# Altium PCB PCB4.PcbDoc (part 6 of 12)
Units mil, origin at the board's own origin, x right, y up, seen from the top; angles counter-clockwise.
Board outline 9204.7 x 4350.39 mil, 4 copper layers (Top Layer, Layer 1, Layer 2, Bottom Layer), stack 23.756 mil thick; 1824 components, 1732 nets, 6090 pads, 1022 vias.
Unrouted connection lines stored in the file: 2463.
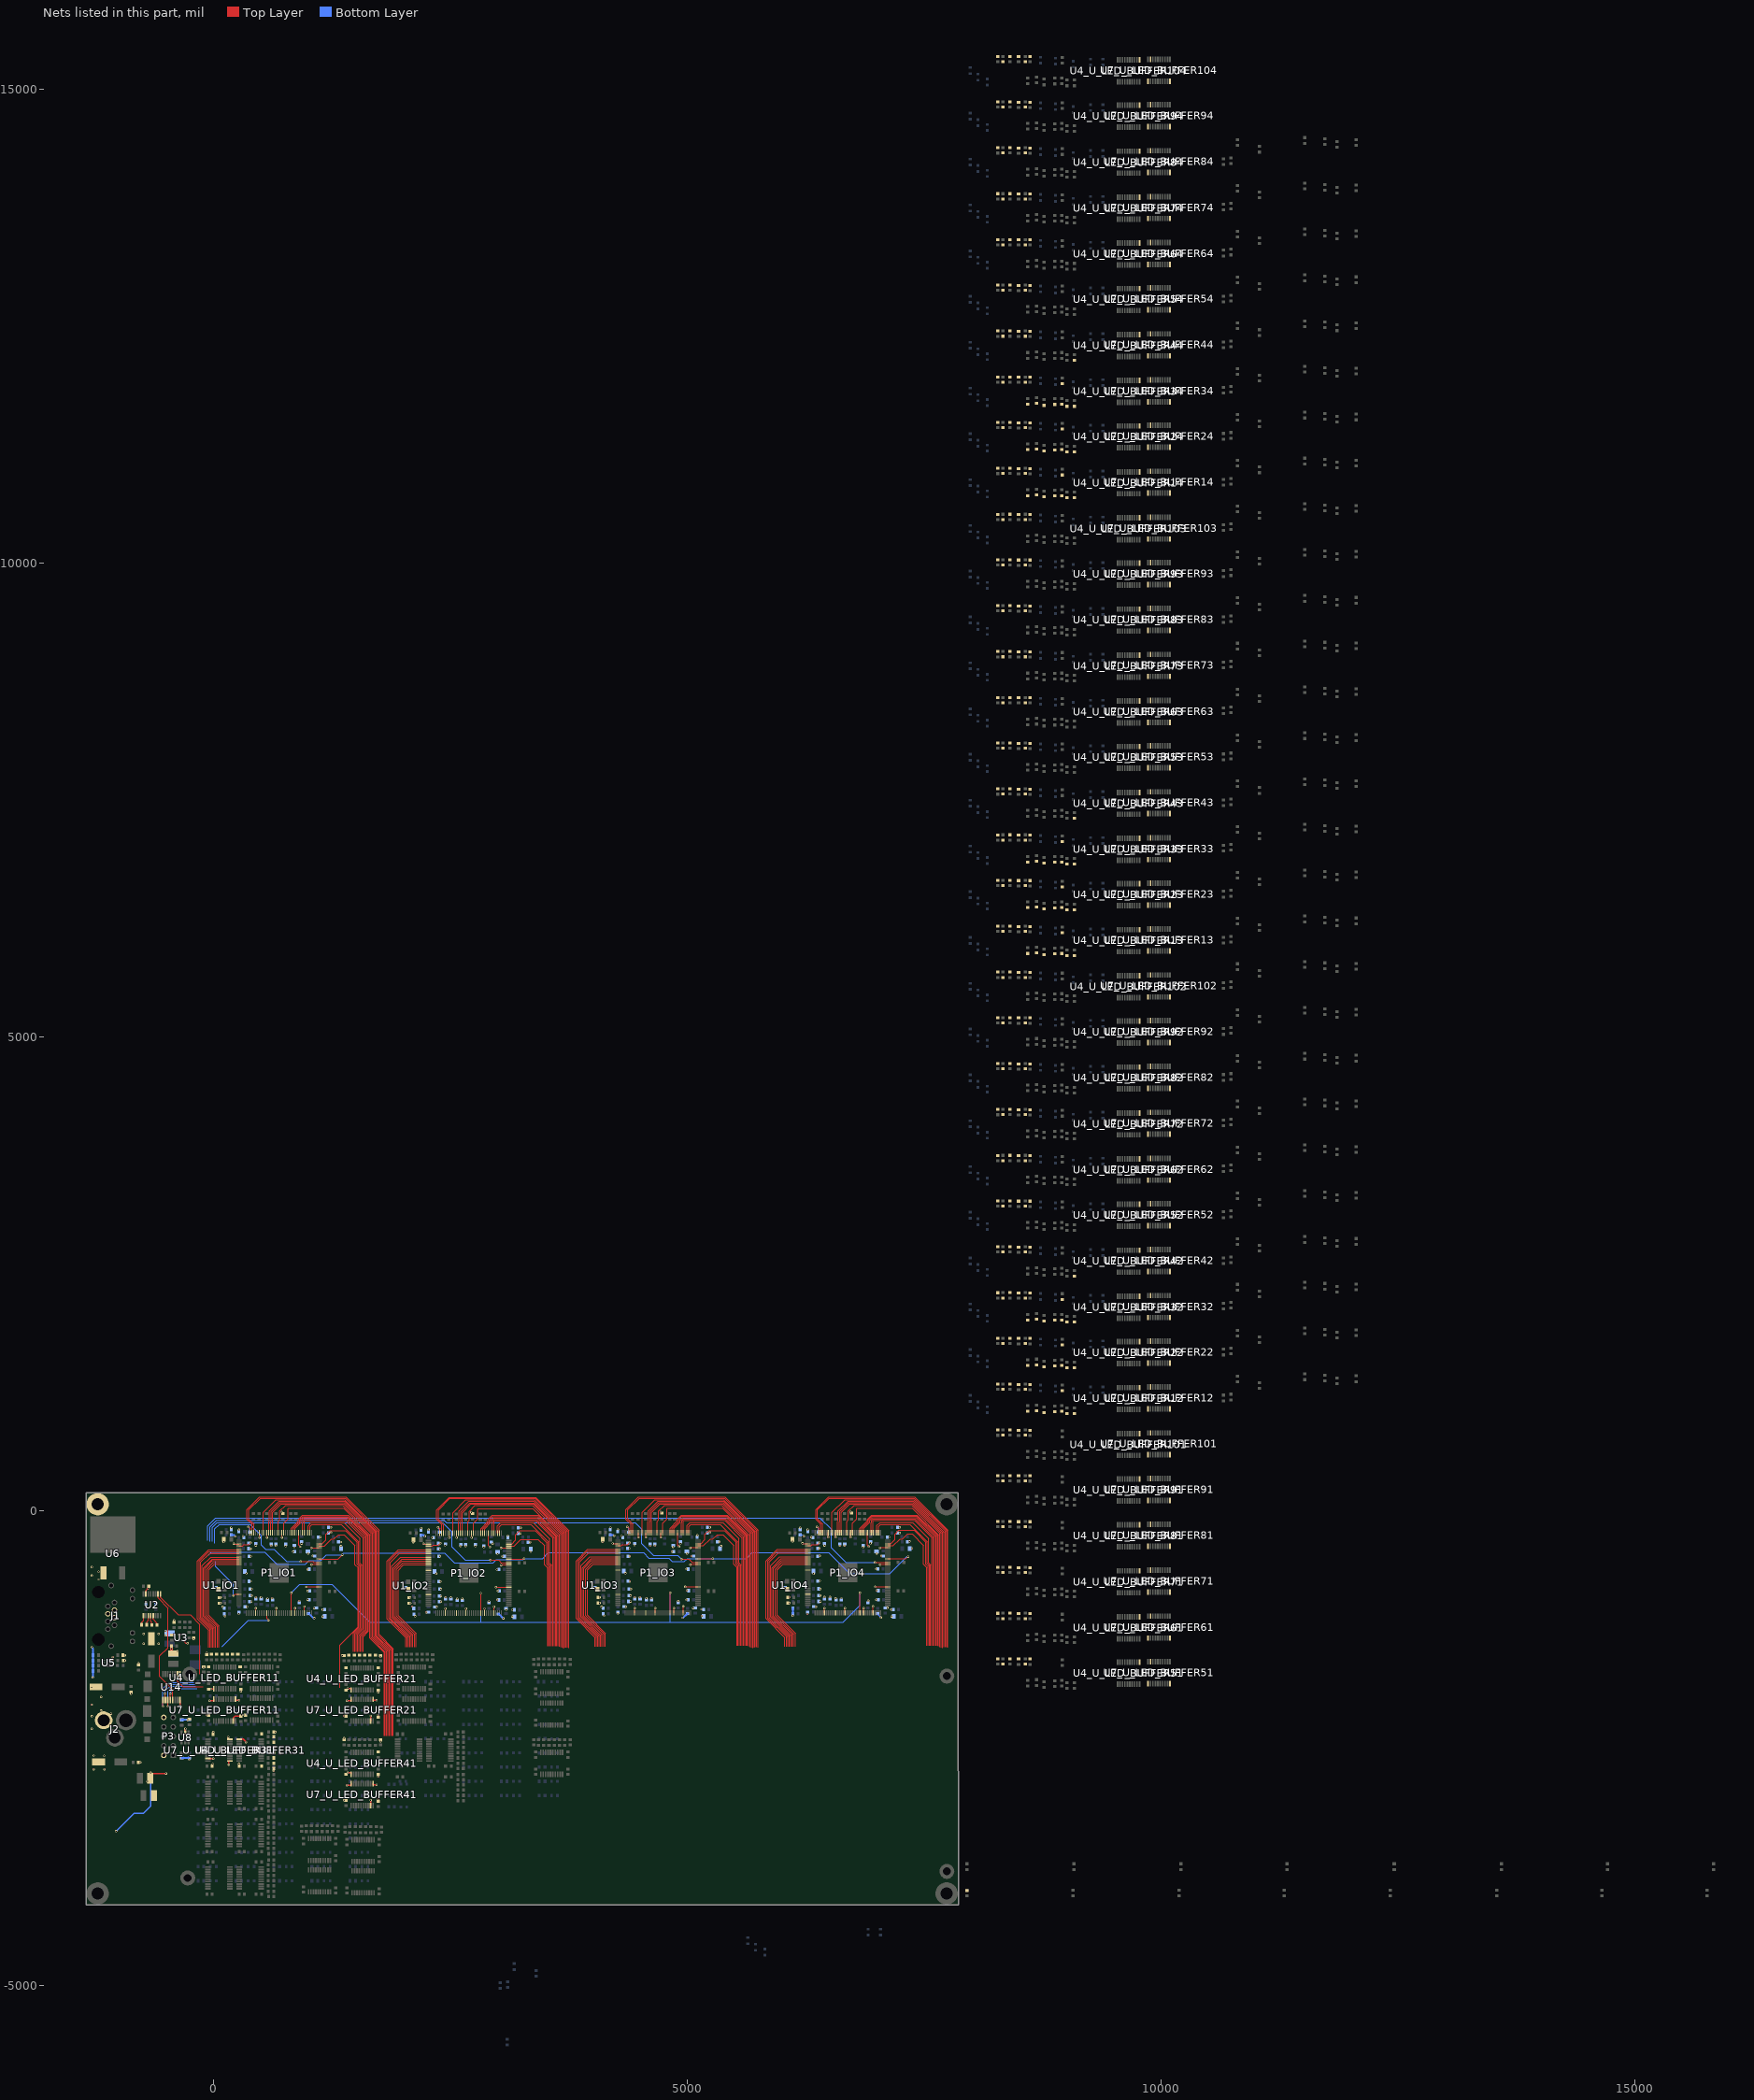
[diagram p8: the nets of this part, all layers, seen from the top]

## Via types
v1: diameter 24, hole 12, Top Layer to Bottom Layer, 1022 vias

## Nets (pads, with @x,y where several pads share a name; then routed paths per layer and width w, separated by ;. In a path a pad name is that pad's centre, name@x,y a point inside that pad or via, vN(x,y) a via of type N, cw(c..) or ccw(c..) an arc to the next point about the centre after c; other vN are vias at no path point) (continued)
BANK_EN0_IO2: P1_IO2.17
BANK_EN0_IO3: P1_IO3.17
BANK_EN0_IO4: P1_IO4.17
BANK_EN1: P1_IO1.30 U14.10 | length 863.8
  Top Layer w7: U14.10@-377.43,-1717.98 -377.43,-1792.58 -320,-1850 -110,-1850 ; v1(213.84,-888.5) 218.44,-888.5 229.51,-877.43 P1_IO1.30@270.71,-877.43
  Bottom Layer w7: 23.34,-530.94 23.25,-531.03 23.25,-542.51 23.34,-542.6 23.34,-583.34 213.84,-773.85 v1(213.84,-888.5)
BANK_EN1_IO2: P1_IO2.30
BANK_EN1_IO3: P1_IO3.30
BANK_EN1_IO4: P1_IO4.30
BANK_EN2_IO1: P1_IO1.48 | length 684.8
  Top Layer w7: P1_IO1.48@565.51,-1073.81 565.51,-1132.66 580,-1147.15 v1(580,-1150)
  Bottom Layer w7: 92.5,-1427.97 370.47,-1150 v1(580,-1150)
BANK_EN2_IO2: P1_IO2.48
BANK_EN2_IO3: P1_IO3.48
BANK_EN2_IO4: P1_IO4.48
C1+: C40.2 U2.1 | length 104.2
  Top Layer w10: C40.2@-756.36,-1198.9 -756.36,-1170.76 -736.67,-1151.07 U2.1@-736.67,-1102.87
C1-: C40.1 U2.3 | length 102.6
  Top Layer w10: C40.1@-701.24,-1198.9 -701.24,-1165.64 -685.49,-1149.89 U2.3@-685.49,-1102.87
C2+: C43.2 U2.4 | length 102.2
  Top Layer w10: U2.4@-659.9,-1102.87 -659.9,-1160.9 -649.3,-1171.5 C43.2@-649.3,-1200.7
C2-: C43.1 U2.5 | length 114.5
  Top Layer w10: U2.5@-634.31,-1102.87 -634.31,-1138.89 -594.18,-1179.02 C43.1@-594.18,-1200.7
CMD_INT: P1_IO1.61 P1_IO2.61 P1_IO3.61 P1_IO4.61 | length 7884.4
  Top Layer w7: P1_IO1.61@821.42,-1073.81 v1(821.42,-862.08) v1@826.2,-857.3 ; P1_IO2.61@2822.52,-1076.41 v1(2822.52,-864.68) ; P1_IO3.61@4819.42,-1072.96 v1(4819.42,-861.23) v1@4824.2,-856.45 ; P1_IO4.61@6822.42,-1072.81 v1(6822.42,-861.08)
  Bottom Layer w7: v1(821.42,-862.08) 913.5,-770 1250,-770 1650,-1170 2822.52,-1170 ; v1(2822.52,-864.68) 2822.52,-1170 ; v1(4819.42,-861.23) 4819.42,-1170 ; v1(6822.42,-861.08) 6822.42,-992.69 6645.11,-1170 4819.42,-1170 ; 2822.52,-1170 4819.42,-1170
CMD_RX: P1_IO1.98 P1_IO2.98 P1_IO3.98 P1_IO4.98 U2.9 | length 9721.9
  Top Layer w7: U2.9@-557.53,-871.53 -557.53,-908.32 -371.59,-1094.26 -243.96,-1094.26 -141.74,-1196.49 -141.74,-1718.27 ; P1_IO1.98@1116.22,-503.42 1316.58,-503.42 v1(1360,-460) ; P1_IO2.98@3117.32,-506.02 3273.98,-506.02 v1(3280,-500) ; P1_IO3.98@5114.22,-502.57 5267.43,-502.57 v1(5270,-500) ; P1_IO4.98@7117.22,-502.42 7307.58,-502.42 v1(7330,-480)
  Bottom Layer w7: -50,-460 -20,-430 540,-430 669.34,-559.34 970.66,-559.34 1010.77,-519.22 1133.33,-519.22 1192.56,-460 v1(1360,-460) 1377.6,-442.4 2440.32,-442.4 2544.33,-546.41 2950.9,-546.41 2985.16,-512.14 3267.4,-512.14 3279.54,-500 v1(3280,-500) ; v1@3280,-501.96 3473.99,-501.96 3537,-438.95 4539.15,-438.95 4596.68,-496.48 4808.56,-496.48 4841.22,-529.14 4971.52,-529.14 5002.15,-498.51 5270,-498.51 5624.61,-498.51 5684.32,-438.8 6493.72,-438.8 6713.12,-658.2 7140.35,-658.2 7315.36,-483.18 7326.81,-483.18 v1(7330,-480)
CMD_TX: U2.10 U14.5 | length 1257.8
  Top Layer w10: U2.10@-583.13,-871.53 -583.96,-872.37 -583.96,-916.64 -479,-1021.6 -479,-1440.98 -565.96,-1527.94 -565.96,-1744.01 -429.44,-1880.53 -429.44,-1991.78 U14.5@-428.61,-1992.62
CMD_TX_IO1: P1_IO1.96 U14.4 | length 1875.4
  Top Layer w7: v1(-455.16,-1925.24) -454.68,-1925.73 -454.68,-1992.14 U14.4@-454.2,-1992.62 ; v1(922.52,-531.8) 1050,-531.8 1060.99,-542.79 P1_IO1.96@1116.22,-542.79
  Bottom Layer w7: v1(-455.16,-1925.24) -451.91,-1921.99 -451.91,-1912.45 -410.88,-1871.43 -170.15,-1871.43 ; 15.39,-335.89 15.39,-186.87 62.26,-140 390,-140 510,-260 510,-360 550,-400 640,-400 771.8,-531.8 v1(922.52,-531.8)
CMD_TX_IO2: P1_IO2.96 U14.3 | length 4110.1
  Top Layer w7: U14.3@-479.79,-1992.62 -479.3,-1993.11 -479.3,-2059.52 v1(-478.82,-2060) ; v1(2924.81,-516.75) 3010,-516.75 3038.64,-545.39 P1_IO2.96@3117.32,-545.39
  Bottom Layer w7: v1(-478.82,-2060) -478.82,-1898.82 -428.36,-1848.36 -186.71,-1848.36 ; -8.38,-320.03 -8.38,-168.28 40.81,-119.08 2419.08,-119.08 2520,-220 2520,-380 2656.75,-516.75 v1(2924.81,-516.75)
CMD_TX_IO3: P1_IO3.96 U14.2 | length 6051.2
  Top Layer w7: v1(-506.34,-1925.24) -505.86,-1925.73 -505.86,-1992.14 U14.2@-505.38,-1992.62 ; v1(4937.95,-506.64) 5020,-506.64 5055.29,-541.94 P1_IO3.96@5114.22,-541.94
  Bottom Layer w7: v1(-506.34,-1925.24) -506.34,-1896.34 -435.88,-1825.88 -190.26,-1825.88 ; -34.41,-320.03 -34.41,-163.76 34.15,-95.2 2435.2,-95.2 2460,-120 4450,-120 4520,-190 4520,-345.21 4641.48,-466.69 4898,-466.69 v1(4937.95,-506.64)
CMD_TX_IO4: P1_IO4.96 U14.1 | length 8278.9
  Top Layer w7: U14.1@-530.97,-1992.62 -530.48,-1993.11 -530.48,-2059.52 v1(-530,-2060) ; v1(6982.19,-541.79) P1_IO4.96@7117.22,-541.79
  Bottom Layer w7: v1(-530,-2060) -530,-1870 -465.18,-1805.18 -208.6,-1805.18 ; -60.43,-307.02 -60.43,-157.28 26.23,-70.62 6400.61,-70.62 6520,-190 6520,-385.26 6676.53,-541.79 v1(6982.19,-541.79)
GND: C1_IO1.1 C1_IO2.1 C1_IO3.1 C1_IO4.1 C2_POWER1.2 C2_POWER2.2 C2_POWER3.2 C2_POWER4.2 C3_POWER1.2 C3_POWER2.2 C3_POWER3.2 C3_POWER4.2 C4_POWER1.2 C4_POWER2.2 C4_POWER3.2 C4_POWER4.2 C5_POWER1.2 C5_POWER2.2 C5_POWER3.2 C5_POWER4.2 C6_POWER1.2 C6_POWER2.2 C6_POWER3.2 C6_POWER4.2 C7_POWER1.2 C7_POWER2.2 C7_POWER3.2 C7_POWER4.2 C9_POWER1.2 C9_POWER2.2 C9_POWER3.2 C9_POWER4.2 C10_POWER1.1 C10_POWER2.1 C10_POWER3.1 C10_POWER4.1 C11_POWER1.1 C11_POWER2.1 C11_POWER3.1 C11_POWER4.1 C12_POWER1.2 C12_POWER2.2 C12_POWER3.2 C12_POWER4.2 C13_POWER1.2 C13_POWER2.2 C13_POWER3.2 C13_POWER4.2 C15_POWER1.2 C15_POWER2.2 C15_POWER3.2 C15_POWER4.2 C16_POWER1.2 C16_POWER2.2 C16_POWER3.2 C16_POWER4.2 C17_POWER1.2 C17_POWER2.2 C17_POWER3.2 C17_POWER4.2 C19.1 C20.1 C21.1 C22.1 C23_POWER1.2 C23_POWER2.2 C23_POWER3.2 C23_POWER4.2 C24_POWER1.2 C24_POWER2.2 C24_POWER3.2 C24_POWER4.2 C26.1 C27.1 C28_U_LED_BUFFER11.2 C28_U_LED_BUFFER12.2 C28_U_LED_BUFFER13.2 C28_U_LED_BUFFER14.2 C28_U_LED_BUFFER21.2 C28_U_LED_BUFFER22.2 C28_U_LED_BUFFER23.2 C28_U_LED_BUFFER24.2 C28_U_LED_BUFFER31.2 C28_U_LED_BUFFER32.2 C28_U_LED_BUFFER33.2 C28_U_LED_BUFFER34.2 C28_U_LED_BUFFER41.2 C28_U_LED_BUFFER42.2 C28_U_LED_BUFFER43.2 C28_U_LED_BUFFER44.2 C28_U_LED_BUFFER51.2 C28_U_LED_BUFFER52.2 C28_U_LED_BUFFER53.2 C28_U_LED_BUFFER54.2 C28_U_LED_BUFFER61.2 C28_U_LED_BUFFER62.2 C28_U_LED_BUFFER63.2 C28_U_LED_BUFFER64.2 C28_U_LED_BUFFER71.2 C28_U_LED_BUFFER72.2 C28_U_LED_BUFFER73.2 C28_U_LED_BUFFER74.2 C28_U_LED_BUFFER81.2 C28_U_LED_BUFFER82.2 C28_U_LED_BUFFER83.2 C28_U_LED_BUFFER84.2 C28_U_LED_BUFFER91.2 C28_U_LED_BUFFER92.2 C28_U_LED_BUFFER93.2 C28_U_LED_BUFFER94.2 C28_U_LED_BUFFER101.2 C28_U_LED_BUFFER102.2 C28_U_LED_BUFFER103.2 C28_U_LED_BUFFER104.2 C29.1 C30.1 C31_U_LED_BUFFER11.1 C31_U_LED_BUFFER12.1 C31_U_LED_BUFFER13.1 C31_U_LED_BUFFER14.1 C31_U_LED_BUFFER21.1 C31_U_LED_BUFFER22.1 C31_U_LED_BUFFER23.1 C31_U_LED_BUFFER24.1 C31_U_LED_BUFFER31.1 C31_U_LED_BUFFER32.1 C31_U_LED_BUFFER33.1 C31_U_LED_BUFFER34.1 C31_U_LED_BUFFER41.1 C31_U_LED_BUFFER42.1 C31_U_LED_BUFFER43.1 C31_U_LED_BUFFER44.1 C31_U_LED_BUFFER51.1 C31_U_LED_BUFFER52.1 C31_U_LED_BUFFER53.1 C31_U_LED_BUFFER54.1 C31_U_LED_BUFFER61.1 C31_U_LED_BUFFER62.1 C31_U_LED_BUFFER63.1 C31_U_LED_BUFFER64.1 C31_U_LED_BUFFER71.1 C31_U_LED_BUFFER72.1 C31_U_LED_BUFFER73.1 C31_U_LED_BUFFER74.1 C31_U_LED_BUFFER81.1 C31_U_LED_BUFFER82.1 C31_U_LED_BUFFER83.1 C31_U_LED_BUFFER84.1 C31_U_LED_BUFFER91.1 C31_U_LED_BUFFER92.1 C31_U_LED_BUFFER93.1 C31_U_LED_BUFFER94.1 C31_U_LED_BUFFER101.1 C31_U_LED_BUFFER102.1 C31_U_LED_BUFFER103.1 C31_U_LED_BUFFER104.1 C32_U_LED_BUFFER11.2 C32_U_LED_BUFFER12.2 C32_U_LED_BUFFER13.2 C32_U_LED_BUFFER14.2 C32_U_LED_BUFFER21.2 C32_U_LED_BUFFER22.2 C32_U_LED_BUFFER23.2 C32_U_LED_BUFFER24.2 C32_U_LED_BUFFER31.2 C32_U_LED_BUFFER32.2 C32_U_LED_BUFFER33.2 C32_U_LED_BUFFER34.2 C32_U_LED_BUFFER41.2 C32_U_LED_BUFFER42.2 C32_U_LED_BUFFER43.2 C32_U_LED_BUFFER44.2 C32_U_LED_BUFFER51.2 C32_U_LED_BUFFER52.2 C32_U_LED_BUFFER53.2 C32_U_LED_BUFFER54.2 C32_U_LED_BUFFER61.2 C32_U_LED_BUFFER62.2 C32_U_LED_BUFFER63.2 C32_U_LED_BUFFER64.2 C32_U_LED_BUFFER71.2 C32_U_LED_BUFFER72.2 C32_U_LED_BUFFER73.2 C32_U_LED_BUFFER74.2 C32_U_LED_BUFFER81.2 C32_U_LED_BUFFER82.2 C32_U_LED_BUFFER83.2 C32_U_LED_BUFFER84.2 C32_U_LED_BUFFER91.2 C32_U_LED_BUFFER92.2 C32_U_LED_BUFFER93.2 C32_U_LED_BUFFER94.2 C32_U_LED_BUFFER101.2 C32_U_LED_BUFFER102.2 C32_U_LED_BUFFER103.2 C32_U_LED_BUFFER104.2 C33_U_LED_BUFFER11.1 C33_U_LED_BUFFER12.1 C33_U_LED_BUFFER13.1 C33_U_LED_BUFFER14.1 C33_U_LED_BUFFER21.1 C33_U_LED_BUFFER22.1 C33_U_LED_BUFFER23.1 C33_U_LED_BUFFER24.1 C33_U_LED_BUFFER31.1 C33_U_LED_BUFFER32.1 C33_U_LED_BUFFER33.1 C33_U_LED_BUFFER34.1 C33_U_LED_BUFFER41.1 C33_U_LED_BUFFER42.1 C33_U_LED_BUFFER43.1 C33_U_LED_BUFFER44.1 C33_U_LED_BUFFER51.1 C33_U_LED_BUFFER52.1 C33_U_LED_BUFFER53.1 C33_U_LED_BUFFER54.1 C33_U_LED_BUFFER61.1 C33_U_LED_BUFFER62.1 C33_U_LED_BUFFER63.1 C33_U_LED_BUFFER64.1 C33_U_LED_BUFFER71.1 C33_U_LED_BUFFER72.1 C33_U_LED_BUFFER73.1 C33_U_LED_BUFFER74.1 C33_U_LED_BUFFER81.1 C33_U_LED_BUFFER82.1 C33_U_LED_BUFFER83.1 C33_U_LED_BUFFER84.1 C33_U_LED_BUFFER91.1 C33_U_LED_BUFFER92.1 C33_U_LED_BUFFER93.1 C33_U_LED_BUFFER94.1 C33_U_LED_BUFFER101.1 C33_U_LED_BUFFER102.1 C33_U_LED_BUFFER103.1 C33_U_LED_BUFFER104.1 C34_U_LED_BUFFER11.2 C34_U_LED_BUFFER12.2 C34_U_LED_BUFFER13.2 C34_U_LED_BUFFER14.2 C34_U_LED_BUFFER21.2 C34_U_LED_BUFFER22.2 C34_U_LED_BUFFER23.2 C34_U_LED_BUFFER24.2 C34_U_LED_BUFFER31.2 C34_U_LED_BUFFER32.2 C34_U_LED_BUFFER33.2 C34_U_LED_BUFFER34.2 C34_U_LED_BUFFER41.2 C34_U_LED_BUFFER42.2 C34_U_LED_BUFFER43.2 C34_U_LED_BUFFER44.2 C34_U_LED_BUFFER51.2 C34_U_LED_BUFFER52.2 C34_U_LED_BUFFER53.2 C34_U_LED_BUFFER54.2 C34_U_LED_BUFFER61.2 C34_U_LED_BUFFER62.2 C34_U_LED_BUFFER63.2 C34_U_LED_BUFFER64.2 C34_U_LED_BUFFER71.2 C34_U_LED_BUFFER72.2 C34_U_LED_BUFFER73.2 C34_U_LED_BUFFER74.2 C34_U_LED_BUFFER81.2 C34_U_LED_BUFFER82.2 C34_U_LED_BUFFER83.2 C34_U_LED_BUFFER84.2 C34_U_LED_BUFFER91.2 C34_U_LED_BUFFER92.2 C34_U_LED_BUFFER93.2 C34_U_LED_BUFFER94.2 C34_U_LED_BUFFER101.2 C34_U_LED_BUFFER102.2 C34_U_LED_BUFFER103.2 C34_U_LED_BUFFER104.2 C35_U_LED_BUFFER11.2 C35_U_LED_BUFFER12.2 C35_U_LED_BUFFER13.2 C35_U_LED_BUFFER14.2 C35_U_LED_BUFFER21.2 C35_U_LED_BUFFER22.2 C35_U_LED_BUFFER23.2 C35_U_LED_BUFFER24.2 C35_U_LED_BUFFER31.2 C35_U_LED_BUFFER31_4_2.2 C35_U_LED_BUFFER32.2 C35_U_LED_BUFFER33.2 C35_U_LED_BUFFER34.2 C35_U_LED_BUFFER41.2 C35_U_LED_BUFFER42.2 C35_U_LED_BUFFER43.2 C35_U_LED_BUFFER44.2 C35_U_LED_BUFFER51.2 C35_U_LED_BUFFER52.2 C35_U_LED_BUFFER53.2 C35_U_LED_BUFFER54.2 C35_U_LED_BUFFER61.2 C35_U_LED_BUFFER62.2 C35_U_LED_BUFFER63.2 C35_U_LED_BUFFER64.2 C35_U_LED_BUFFER71.2 C35_U_LED_BUFFER72.2 C35_U_LED_BUFFER73.2 C35_U_LED_BUFFER74.2 C35_U_LED_BUFFER81.2 C35_U_LED_BUFFER82.2 C35_U_LED_BUFFER83.2 C35_U_LED_BUFFER84.2 C35_U_LED_BUFFER91.2 C35_U_LED_BUFFER92.2 C35_U_LED_BUFFER93.2 C35_U_LED_BUFFER94.2 C35_U_LED_BUFFER101.2 C35_U_LED_BUFFER102.2 C35_U_LED_BUFFER103.2 C35_U_LED_BUFFER104.2 C36.1 C37.1 C38.1 C39.1 C41.1 C42.1 C44.1 C45_POWER1.2 C45_POWER2.2 C45_POWER3.2 C45_POWER4.2 C46_POWER1.1 C46_POWER2.1 C46_POWER3.1 C46_POWER4.1 C47_POWER1.2 C47_POWER2.2 C47_POWER3.2 C47_POWER4.2 C48_POWER1.2 C48_POWER2.2 C48_POWER3.2 C48_POWER4.2 C49_POWER1.2 C49_POWER2.2 C49_POWER3.2 C49_POWER4.2 C51_POWER1.2 C51_POWER2.2 C51_POWER3.2 C51_POWER4.2 C52_POWER1.2 C52_POWER2.2 C52_POWER3.2 C52_POWER4.2 C53_POWER1.2 C53_POWER2.2 C53_POWER3.2 C53_POWER4.2 C54_POWER1.2 C54_POWER2.2 C54_POWER3.2 C54_POWER4.2 C55_POWER1.1 C55_POWER2.1 C55_POWER3.1 C55_POWER4.1 C56_POWER1.1 C56_POWER2.1 C56_POWER3.1 C56_POWER4.1 C57_POWER1.2 C57_POWER2.2 C57_POWER3.2 C57_POWER4.2 C58_POWER1.2 C58_POWER2.2 C58_POWER3.2 C58_POWER4.2 C59_POWER1.2 C59_POWER2.2 C59_POWER3.2 C59_POWER4.2 C60_POWER1.2 C60_POWER2.2 C60_POWER3.2 C60_POWER4.2 C61_POWER1.2 C61_POWER2.2 C61_POWER3.2 C61_POWER4.2 C62_POWER1.2 C62_POWER2.2 C62_POWER3.2 C62_POWER4.2 C64_POWER1.2 C64_POWER2.2 C64_POWER3.2 C64_POWER4.2 C65_POWER1.2 C65_POWER2.2 C65_POWER3.2 C65_POWER4.2 C66_POWER1.2 C66_POWER2.2 C66_POWER3.2 C66_POWER4.2 C67_POWER1.2 C67_POWER2.2 C67_POWER3.2 C67_POWER4.2 C68_POWER1.2 C68_POWER2.2 C68_POWER3.2 C68_POWER4.2 C69_POWER1.1 C69_POWER2.1 C69_POWER3.1 C69_POWER4.1 C70_POWER1.1 C70_POWER2.1 C70_POWER3.1 C70_POWER4.1 C71_POWER1.1 C71_POWER2.1 C71_POWER3.1 C71_POWER4.1 C72_POWER1.1 C72_POWER2.1 C72_POWER3.1 C72_POWER4.1 C73.2 C74.1 C75.1 C76.2 C77.1 C78.1 C79.2 D1_IO1.2 D1_IO2.2 D1_IO3.2 D1_IO4.2 D2_IO1.2 D2_IO2.2 D2_IO3.2 D2_IO4.2 J1.4 J1.5 J1.6 J2.2 P1_IO1.3 P1_IO1.4 P1_IO1.42 P1_IO1.53 P1_IO1.63 P1_IO1.68 P1_IO1.83 P1_IO1.95 P1_IO1.104 P1_IO1.116 P1_IO1.125 P1_IO1.133 P1_IO1.137 P1_IO1.142 P1_IO2.3 P1_IO2.4 P1_IO2.42 P1_IO2.53 P1_IO2.63 P1_IO2.68 P1_IO2.83 P1_IO2.95 P1_IO2.104 P1_IO2.116 P1_IO2.125 P1_IO2.133 P1_IO2.137 P1_IO2.142 P1_IO3.3 P1_IO3.4 P1_IO3.42 P1_IO3.53 P1_IO3.63 P1_IO3.68 P1_IO3.83 P1_IO3.95 P1_IO3.104 P1_IO3.116 P1_IO3.125 P1_IO3.133 P1_IO3.137 P1_IO3.142 P1_IO4.3 P1_IO4.4 P1_IO4.42 P1_IO4.53 P1_IO4.63 P1_IO4.68 P1_IO4.83 P1_IO4.95 P1_IO4.104 P1_IO4.116 P1_IO4.125 P1_IO4.133 P1_IO4.137 P1_IO4.142 P3.2 P3.10 pad.@-1219.21,72.6 R12.1 R13_IO1.1 R13_IO2.1 R13_IO3.1 R13_IO4.1 R23.2 R24.2 R25.2 R29.2 R32.2 R38.1 R39.2 R40.2 R43.1 R44.2 U1_IO1.2 U1_IO2.2 U1_IO3.2 U1_IO4.2 U2.15 U3.4 U4_U_LED_BUFFER11.11 U4_U_LED_BUFFER12.11 U4_U_LED_BUFFER13.11 U4_U_LED_BUFFER14.11 U4_U_LED_BUFFER21.11 U4_U_LED_BUFFER22.11 U4_U_LED_BUFFER23.11 U4_U_LED_BUFFER24.11 U4_U_LED_BUFFER31.11 U4_U_LED_BUFFER32.11 U4_U_LED_BUFFER33.11 U4_U_LED_BUFFER34.11 U4_U_LED_BUFFER41.11 U4_U_LED_BUFFER42.11 U4_U_LED_BUFFER43.11 U4_U_LED_BUFFER44.11 U4_U_LED_BUFFER51.11 U4_U_LED_BUFFER52.11 U4_U_LED_BUFFER53.11 U4_U_LED_BUFFER54.11 U4_U_LED_BUFFER61.11 U4_U_LED_BUFFER62.11 U4_U_LED_BUFFER63.11 U4_U_LED_BUFFER64.11 U4_U_LED_BUFFER71.11 U4_U_LED_BUFFER72.11 U4_U_LED_BUFFER73.11 U4_U_LED_BUFFER74.11 U4_U_LED_BUFFER81.11 U4_U_LED_BUFFER82.11 U4_U_LED_BUFFER83.11 U4_U_LED_BUFFER84.11 U4_U_LED_BUFFER91.11 U4_U_LED_BUFFER92.11 U4_U_LED_BUFFER93.11 U4_U_LED_BUFFER94.11 U4_U_LED_BUFFER101.11 U4_U_LED_BUFFER102.11 U4_U_LED_BUFFER103.11 U4_U_LED_BUFFER104.11 U5.12 U6.1 U7_U_LED_BUFFER11.1 U7_U_LED_BUFFER11.10 U7_U_LED_BUFFER11.19 U7_U_LED_BUFFER12.1 U7_U_LED_BUFFER12.10 U7_U_LED_BUFFER12.19 U7_U_LED_BUFFER13.1 U7_U_LED_BUFFER13.10 U7_U_LED_BUFFER13.19 U7_U_LED_BUFFER14.1 U7_U_LED_BUFFER14.10 U7_U_LED_BUFFER14.19 U7_U_LED_BUFFER21.1 U7_U_LED_BUFFER21.10 U7_U_LED_BUFFER21.19 U7_U_LED_BUFFER22.1 U7_U_LED_BUFFER22.10 U7_U_LED_BUFFER22.19 U7_U_LED_BUFFER23.1 U7_U_LED_BUFFER23.10 U7_U_LED_BUFFER23.19 U7_U_LED_BUFFER24.1 U7_U_LED_BUFFER24.10 U7_U_LED_BUFFER24.19 U7_U_LED_BUFFER31.1 U7_U_LED_BUFFER31.10 U7_U_LED_BUFFER31.19 U7_U_LED_BUFFER32.1 U7_U_LED_BUFFER32.10 U7_U_LED_BUFFER32.19 U7_U_LED_BUFFER33.1 U7_U_LED_BUFFER33.10 U7_U_LED_BUFFER33.19 U7_U_LED_BUFFER34.1 U7_U_LED_BUFFER34.10 U7_U_LED_BUFFER34.19 U7_U_LED_BUFFER41.1 U7_U_LED_BUFFER41.10 U7_U_LED_BUFFER41.19 U7_U_LED_BUFFER42.1 U7_U_LED_BUFFER42.10 U7_U_LED_BUFFER42.19 U7_U_LED_BUFFER43.1 U7_U_LED_BUFFER43.10 U7_U_LED_BUFFER43.19 U7_U_LED_BUFFER44.1 U7_U_LED_BUFFER44.10 U7_U_LED_BUFFER44.19 U7_U_LED_BUFFER51.1 U7_U_LED_BUFFER51.10 U7_U_LED_BUFFER51.19 U7_U_LED_BUFFER52.1 U7_U_LED_BUFFER52.10 U7_U_LED_BUFFER52.19 U7_U_LED_BUFFER53.1 U7_U_LED_BUFFER53.10 U7_U_LED_BUFFER53.19 U7_U_LED_BUFFER54.1 U7_U_LED_BUFFER54.10 U7_U_LED_BUFFER54.19 U7_U_LED_BUFFER61.1 U7_U_LED_BUFFER61.10 U7_U_LED_BUFFER61.19 U7_U_LED_BUFFER62.1 U7_U_LED_BUFFER62.10 U7_U_LED_BUFFER62.19 U7_U_LED_BUFFER63.1 U7_U_LED_BUFFER63.10 U7_U_LED_BUFFER63.19 U7_U_LED_BUFFER64.1 U7_U_LED_BUFFER64.10 U7_U_LED_BUFFER64.19 U7_U_LED_BUFFER71.1 U7_U_LED_BUFFER71.10 U7_U_LED_BUFFER71.19 U7_U_LED_BUFFER72.1 U7_U_LED_BUFFER72.10 U7_U_LED_BUFFER72.19 U7_U_LED_BUFFER73.1 U7_U_LED_BUFFER73.10 U7_U_LED_BUFFER73.19 U7_U_LED_BUFFER74.1 U7_U_LED_BUFFER74.10 U7_U_LED_BUFFER74.19 U7_U_LED_BUFFER81.1 U7_U_LED_BUFFER81.10 U7_U_LED_BUFFER81.19 U7_U_LED_BUFFER82.1 U7_U_LED_BUFFER82.10 U7_U_LED_BUFFER82.19 U7_U_LED_BUFFER83.1 U7_U_LED_BUFFER83.10 U7_U_LED_BUFFER83.19 U7_U_LED_BUFFER84.1 U7_U_LED_BUFFER84.10 U7_U_LED_BUFFER84.19 U7_U_LED_BUFFER91.1 U7_U_LED_BUFFER91.10 U7_U_LED_BUFFER91.19 U7_U_LED_BUFFER92.1 U7_U_LED_BUFFER92.10 U7_U_LED_BUFFER92.19 U7_U_LED_BUFFER93.1 U7_U_LED_BUFFER93.10 U7_U_LED_BUFFER93.19 U7_U_LED_BUFFER94.1 U7_U_LED_BUFFER94.10 U7_U_LED_BUFFER94.19 U7_U_LED_BUFFER101.1 U7_U_LED_BUFFER101.10 U7_U_LED_BUFFER101.19 U7_U_LED_BUFFER102.1 U7_U_LED_BUFFER102.10 U7_U_LED_BUFFER102.19 U7_U_LED_BUFFER103.1 U7_U_LED_BUFFER103.10 U7_U_LED_BUFFER103.19 U7_U_LED_BUFFER104.1 U7_U_LED_BUFFER104.10 U7_U_LED_BUFFER104.19 U8.2 U14.8 U14.9 | length 8039.9
  Top Layer w10: U5.12@-1060.61,-1571.27 v1(-1060.61,-1539.07) ; v1(215.2,-341.3) 219.84,-345.94 P1_IO1.3@270.71,-345.94 ; P1_IO1.4@270.71,-365.62 308.57,-365.62 320.73,-353.46 376.03,-353.46 v1(394.2,-335.3) ; v1(369.2,-167.3) 373.2,-167.3 388.35,-182.45 P1_IO1.142@388.35,-228.3 P1_IO1.142@387.44,-229.2 ; P1_IO1.42@447.4,-1073.81 v1(447.4,-1024.86) ; v1(486.77,-277.25) P1_IO1.137@486.77,-228.3 ; v1(565.51,-277.25) P1_IO1.133@565.51,-228.3 ; P1_IO1.53@663.94,-1073.81 v1(663.94,-1024.86) ; v1(722.99,-277.25) P1_IO1.125@722.99,-228.3 ; P1_IO1.63@860.79,-1073.81 v1(860.79,-1024.86) ; P1_IO1.116@900.16,-228.3 900.16,-360.26 v1(915.2,-375.3) ; P1_IO1.68@959.21,-1073.81 959.21,-1007.28 v1(960.2,-1006.3) ; v1(982.2,-799.3) 978.92,-799.3 979.22,-799 1115.92,-799 P1_IO1.83@1116.22,-798.69 ; v1(1033.65,-386.92) 1035.27,-385.31 P1_IO1.104@1116.22,-385.31 ; v1(1035.2,-565.3) 1038.99,-565.3 1041.81,-562.47 P1_IO1.95@1116.22,-562.47 ; v1(2216.3,-343.9) 2220.94,-348.54 P1_IO2.3@2271.81,-348.54 ; P1_IO2.4@2271.81,-368.22 2309.67,-368.22 2321.83,-356.06 2377.13,-356.06 v1(2395.3,-337.9) ; v1(2370.3,-169.9) 2374.3,-169.9 2389.45,-185.05 P1_IO2.142@2389.45,-230.9 P1_IO2.142@2388.54,-231.8 ; P1_IO2.42@2448.5,-1076.41 v1(2448.5,-1027.46) ; v1(2487.87,-279.85) P1_IO2.137@2487.87,-230.9 ; v1(2566.61,-279.85) P1_IO2.133@2566.61,-230.9 ; P1_IO2.53@2665.04,-1076.41 v1(2665.04,-1027.46) ; v1(2724.09,-279.85) P1_IO2.125@2724.09,-230.9 ; P1_IO2.63@2861.89,-1076.41 v1(2861.89,-1027.46) ; P1_IO2.116@2901.26,-230.9 2901.26,-362.86 v1(2916.3,-377.9) ; P1_IO2.68@2960.31,-1076.41 2960.31,-1009.88 v1(2961.3,-1008.9) ; v1(2983.3,-801.9) 2980.02,-801.9 2980.32,-801.6 3117.02,-801.6 P1_IO2.83@3117.32,-801.29 ; v1(3034.75,-389.52) 3036.37,-387.91 P1_IO2.104@3117.32,-387.91 ; v1(3036.3,-567.9) 3040.09,-567.9 3042.91,-565.07 P1_IO2.95@3117.32,-565.07 ; v1(4213.2,-340.45) 4217.84,-345.09 P1_IO3.3@4268.71,-345.09 ; P1_IO3.4@4268.71,-364.77 4306.57,-364.77 4318.73,-352.61 4374.03,-352.61 v1(4392.2,-334.45) ; v1(4367.2,-166.45) 4371.2,-166.45 4386.35,-181.6 P1_IO3.142@4386.35,-227.45 P1_IO3.142@4385.44,-228.36 ; P1_IO3.42@4445.4,-1072.96 v1(4445.4,-1024.01) ; v1(4484.77,-276.4) P1_IO3.137@4484.77,-227.45 ; v1(4563.51,-276.4) P1_IO3.133@4563.51,-227.45 ; P1_IO3.53@4661.94,-1072.96 v1(4661.94,-1024.01) ; v1(4720.99,-276.4) P1_IO3.125@4720.99,-227.45 ; P1_IO3.63@4858.79,-1072.96 v1(4858.79,-1024.01) ; P1_IO3.116@4898.16,-227.45 4898.16,-359.41 v1(4913.2,-374.45) ; P1_IO3.68@4957.21,-1072.96 4957.21,-1006.43 v1(4958.2,-1005.45) ; v1(4980.2,-798.45) 4976.92,-798.45 4977.22,-798.15 5113.92,-798.15 P1_IO3.83@5114.22,-797.84 ; v1(5031.65,-386.07) 5033.27,-384.46 P1_IO3.104@5114.22,-384.46 ; v1(5033.2,-564.45) 5036.99,-564.45 5039.81,-561.62 P1_IO3.95@5114.22,-561.62 ; v1(6216.2,-340.3) 6220.84,-344.94 P1_IO4.3@6271.71,-344.94 ; P1_IO4.4@6271.71,-364.62 6309.57,-364.62 6321.73,-352.46 6377.03,-352.46 v1(6395.2,-334.3) ; v1(6370.2,-166.3) 6374.2,-166.3 6389.35,-181.45 P1_IO4.142@6389.35,-227.3 P1_IO4.142@6388.44,-228.2 ; P1_IO4.42@6448.4,-1072.81 v1(6448.4,-1023.86) ; v1(6487.77,-276.25) P1_IO4.137@6487.77,-227.3 ; v1(6566.51,-276.25) P1_IO4.133@6566.51,-227.3 ; P1_IO4.53@6664.94,-1072.81 v1(6664.94,-1023.86) ; v1(6723.99,-276.25) P1_IO4.125@6723.99,-227.3 ; P1_IO4.63@6861.79,-1072.81 v1(6861.79,-1023.86) ; P1_IO4.116@6901.16,-227.3 6901.16,-359.26 v1(6916.2,-374.3) ; P1_IO4.68@6960.21,-1072.81 6960.21,-1006.28 v1(6961.2,-1005.3) ; v1(6983.2,-798.3) 6979.92,-798.3 6980.22,-798 7116.92,-798 P1_IO4.83@7117.22,-797.69 ; v1(7034.65,-385.92) 7036.27,-384.31 P1_IO4.104@7117.22,-384.31 ; v1(7036.2,-564.3) 7039.99,-564.3 7042.81,-561.47 P1_IO4.95@7117.22,-561.47